# Altium PCB PCB部分.PcbDoc
Units mm, origin at the board's own origin, x right, y up, seen from the top; angles counter-clockwise.
Board outline 80 x 100 mm, 2 copper layers (Top Layer, Bottom Layer); 43 components, 31 nets, 229 pads, 5 vias.
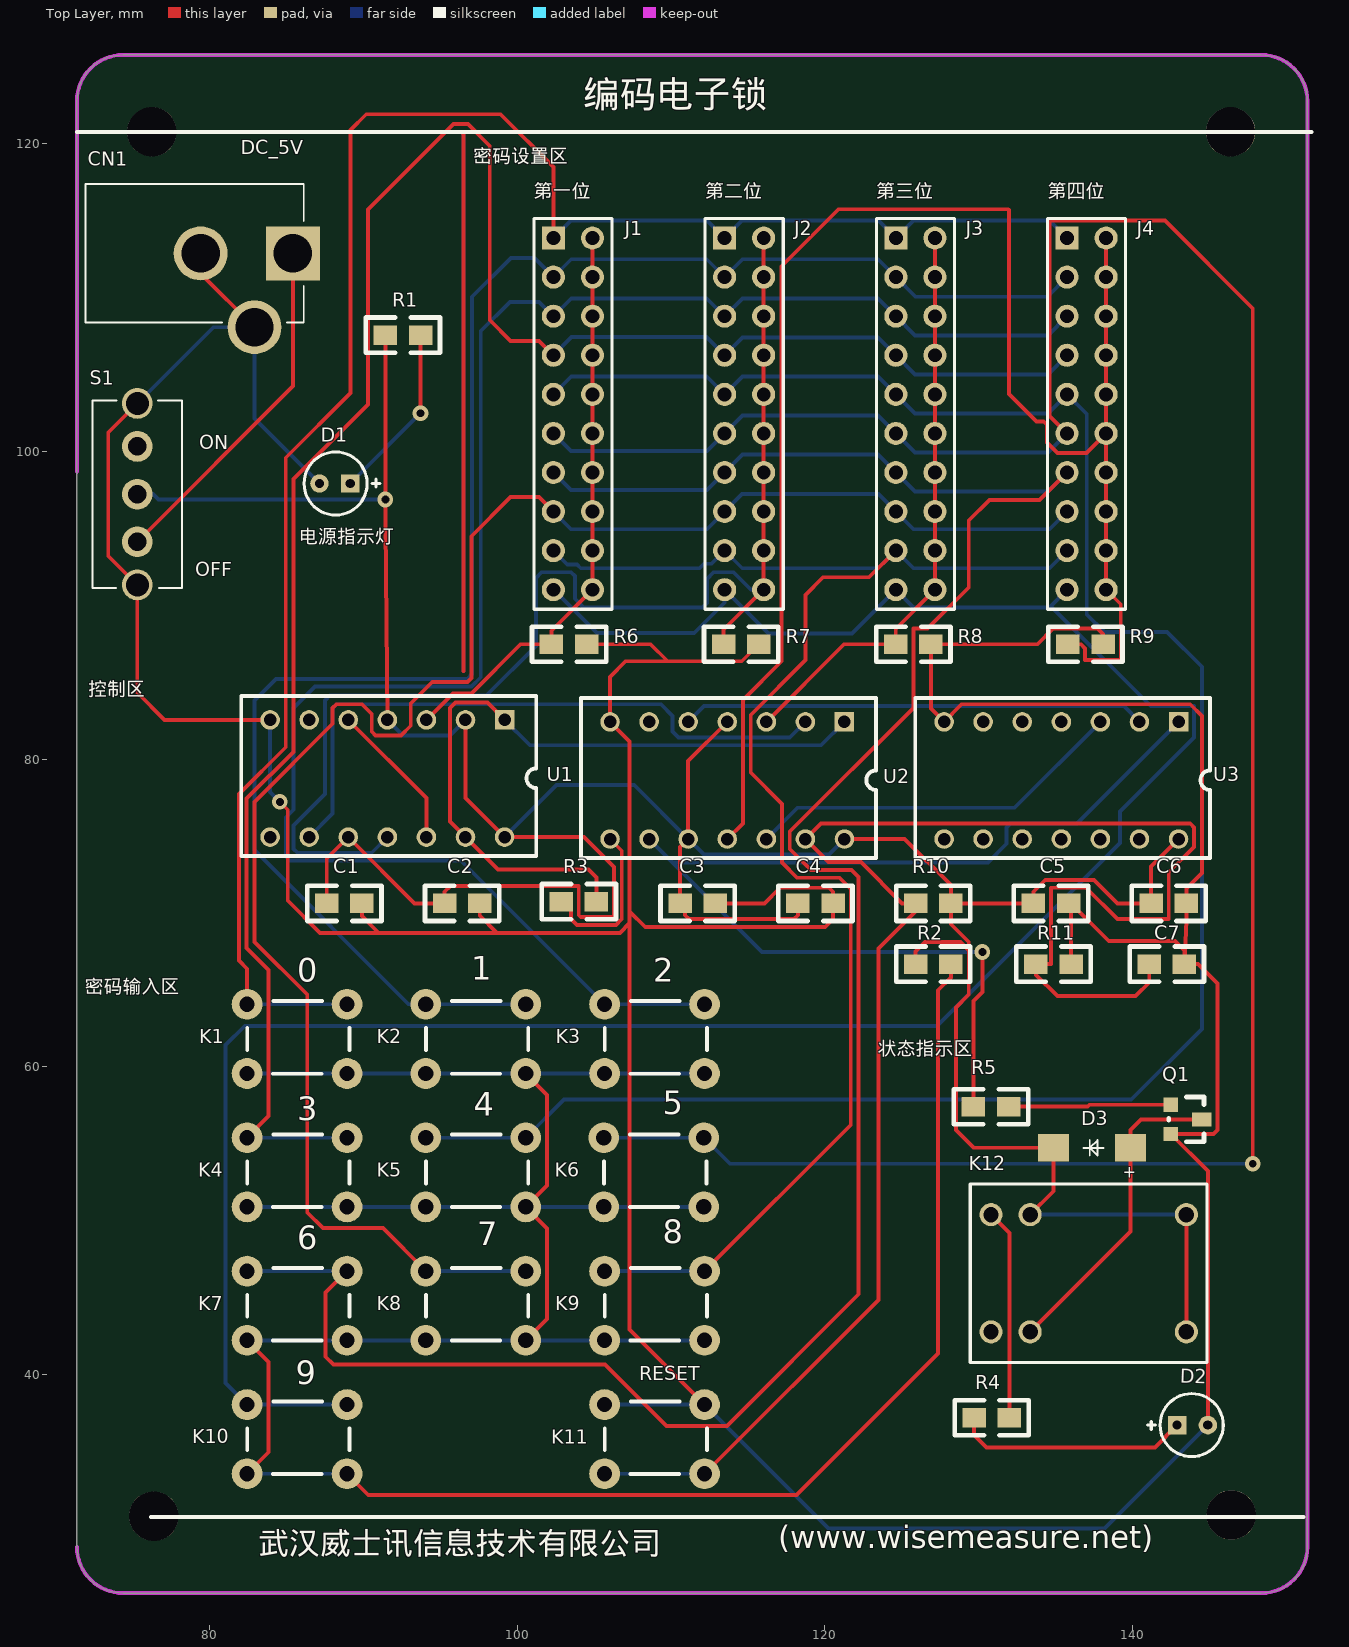
[diagram p0: Top Layer view]
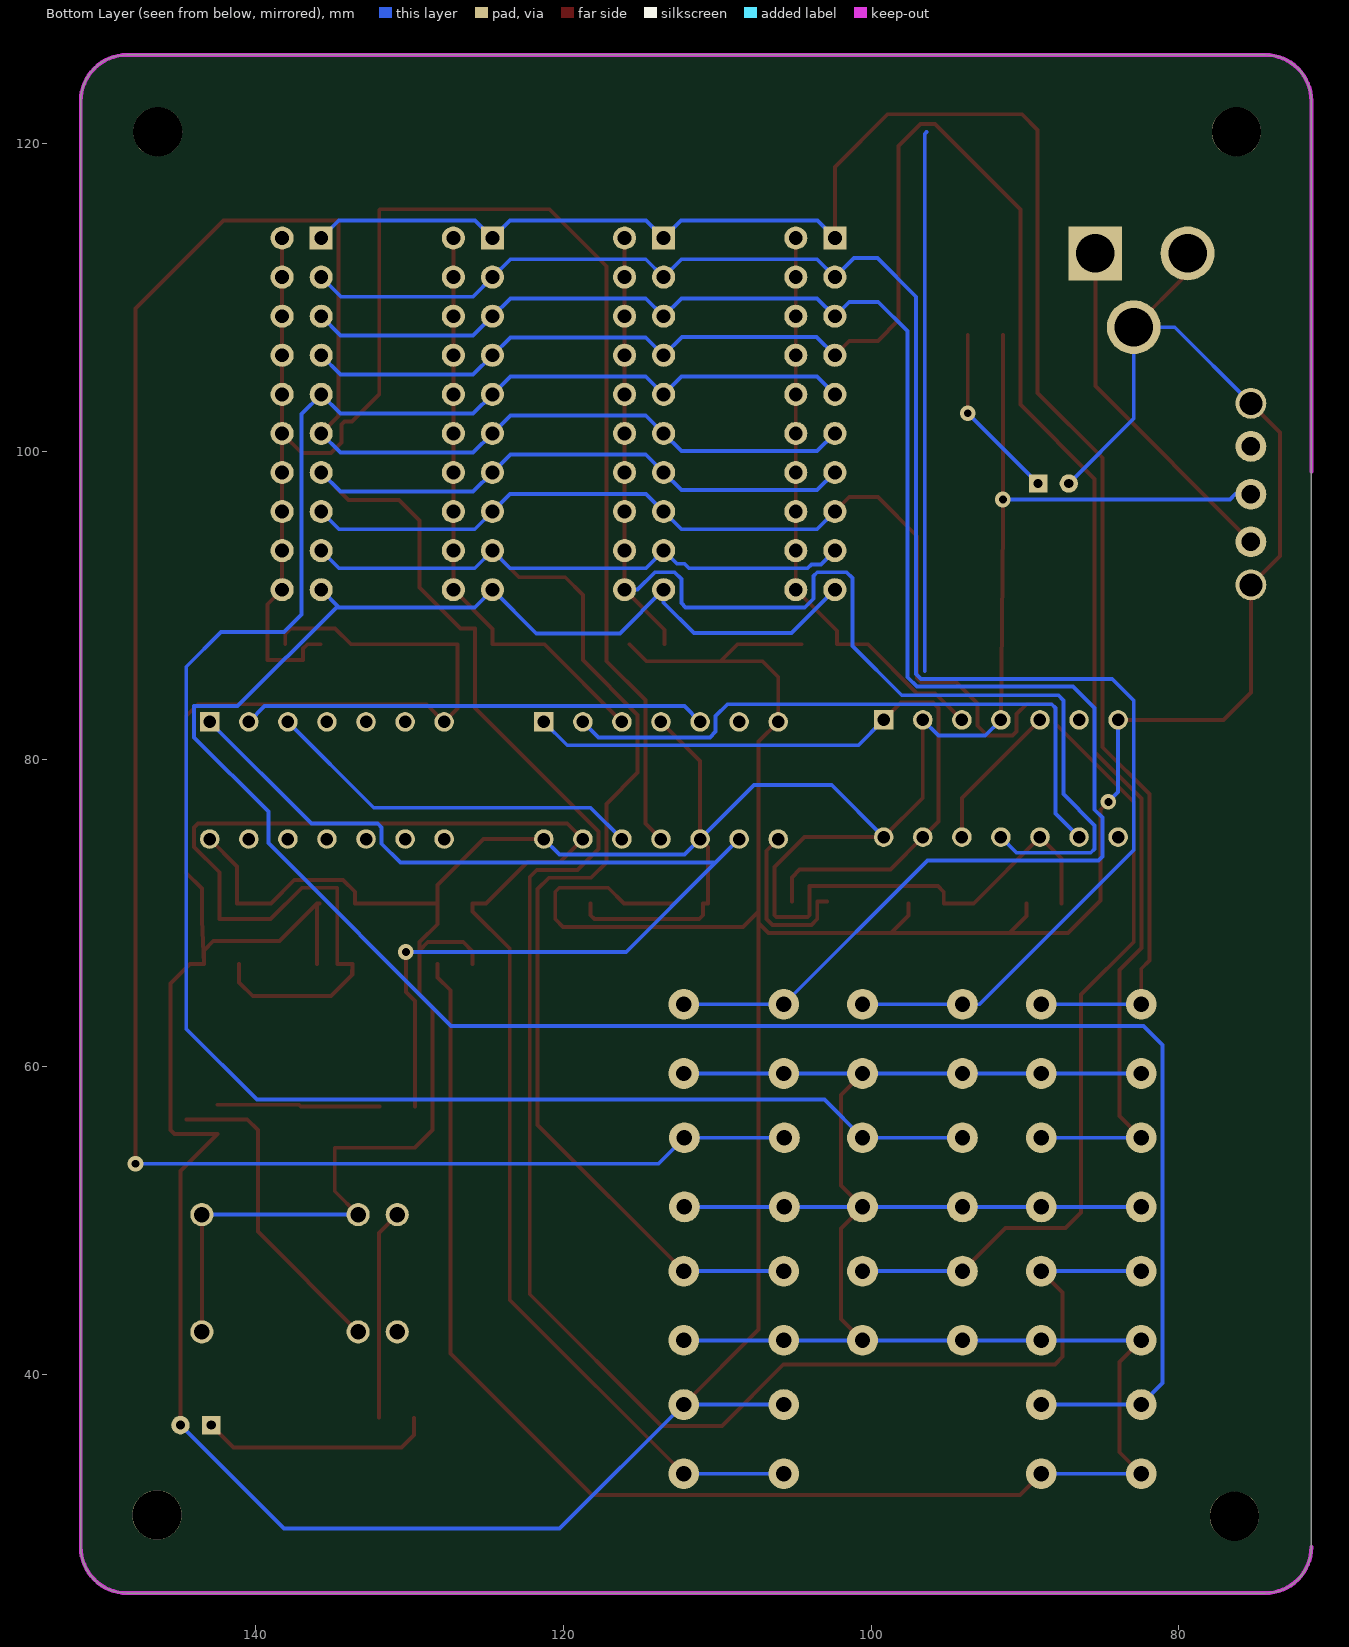
[diagram p1: Bottom Layer view, seen from below]

## Layer stack, top to bottom
Top Solder: solder mask 0.0102, Solder Resist, Dk 3.5
Top Layer: signal copper 0.0356
Dielectric1: dielectric 0.32, FR-4, Dk 4.8
Bottom Layer: signal copper 0.0356
Bottom Solder: solder mask 0.0102, Solder Resist, Dk 3.5

## Board outline
71.384,28.781 71.384,122.781 cw(c74.384,122.781) 74.384,125.781 148.384,125.781 cw(c148.384,122.781) 151.384,122.781 151.384,28.781 cw(c148.384,28.781) 148.384,25.781 74.384,25.781 cw(c74.384,28.781)

## Design rules (kind name [scope] priority, off if disabled: settings)
Clearance [All] p1: gap=0.254 ignorepadtopadclearanceinfootprint=FALSE
FabricationTestPointUsage TestPointUsage [All] p1: valid=0 allowmultiple=FALSE
FabricationTestpoint Testpoint [All] p1: side=3 testpointundercomponent=TRUE minsize=1.016 maxsize=2.54 preferedsize=1.524 minholesize=0 maxholesize=1.016 preferedholesize=0.813 testpointgrid=0.025 allowsidetop=TRUE allowsidebottom=TRUE usegrid=TRUE gridtolerance=0
PolygonConnect [All] p1: connectstyle=Relief reliefconductorwidth=0.254 reliefentries=4 polygonreliefangle="90 Angle" airgapwidth=0.254
RoutingVias [All] p1: holewidth=0.508 width=1.016 viastyle="Through Hole" minholewidth=0.508 minwidth=1.016 maxholewidth=0.508 maxwidth=1.016
SilkToSolderMaskClearance SilkscreenOverComponentPads [IsPad] p1: minsilkscreentomaskgap=0.254 clearancetoexposedcopper=TRUE
SolderMaskExpansion [All] p1: expansion=0.102 istentingtop=FALSE
Width [All] p1: maxlimit=0.254 minlimit=0.254 preferedwidth=0.254
27 further rules are at their usual default settings.

## Components (designator, comment, footprint, x,y, rotation, side; value= is the part's Value field where it differs from the comment)
C1 "10uF" 0805 87.63,70.622 r0 top
C2 "10uF" 0805 95.286,70.622 r0 top
C3 "10uF" 0805 110.599,70.622 r0 top
C4 "10uF" 0805 118.255,70.622 r0 top
C5 "10uF" 0805 133.568,70.622 r0 top
C6 "10uF" 0805 141.224,70.622 r0 top
C7 "10uF" 0805 141.097,66.675 r0 top
CN1 "DC JACK" "DC JACK" 71.776,108.216 r0 top
D1 "LED" 3MM插件LED 91.221,98.675 r180 top
D2 "LED" 3MM插件LED 140.84,35.945 r0 top
D3 "1N4148" 1N5819 139.874,54.737 r180 top
J1 "HEADER 10X2" HDR2X10 102.362,113.873 r270 top
J2 "HEADER 10X2" HDR2X10 113.493,113.873 r270 top
J3 "HEADER 10X2" HDR2X10 124.624,113.873 r270 top
J4 "HEADER 10X2" HDR2X10 135.755,113.873 r270 top
K1 "SW6X6轻触开关" SW6X6轻触开关 81.407,58.42 r0 top
K2 "SW6X6轻触开关" SW6X6轻触开关 93.027,58.42 r0 top
K3 "SW6X6轻触开关" SW6X6轻触开关 104.648,58.42 r0 top
K4 "SW6X6轻触开关" SW6X6轻触开关 81.407,49.746 r0 top
K5 "SW6X6轻触开关" SW6X6轻触开关 93.027,49.746 r0 top
K6 "SW6X6轻触开关" SW6X6轻触开关 104.603,49.746 r0 top
K7 "SW6X6轻触开关" SW6X6轻触开关 81.407,41.072 r0 top
K8 "SW6X6轻触开关" SW6X6轻触开关 93.027,41.072 r0 top
K9 "SW6X6轻触开关" SW6X6轻触开关 104.648,41.072 r0 top
K10 "SW6X6轻触开关" SW6X6轻触开关 81.407,32.398 r0 top
K11 "SW6X6轻触开关" SW6X6轻触开关 104.648,32.398 r0 top
K12 "SRS-05VDC-SL" 继电器 129.413,40.767 r0 top
Q1 "SS8050" S8050 142.494,57.531 r270 top
R1 "1K" 0805贴片电阻 90.009,106.238 r0 top
R2 "1K" 0805贴片电阻 124.48,65.344 r0 top
R3 "1K" 0805贴片电阻 101.439,69.408 r0 top
R4 "1K" 0805贴片电阻 128.286,35.848 r0 top
R5 "1K" 0805贴片电阻 128.236,56.073 r0 top
R6 "10K" 0805贴片电阻 100.804,86.136 r0 top
R7 "10K" 0805贴片电阻 111.995,86.136 r0 top
R8 "10K" 0805贴片电阻 123.186,86.136 r0 top
R9 "10K" 0805贴片电阻 134.377,86.136 r0 top
R10 "10K" 0805贴片电阻 124.48,69.291 r0 top
R11 "10K" 0805贴片电阻 132.3,65.344 r0 top
S1 "CON5" 拨动开关5脚 93.984,80.021 r90 top
U1 "74LS74D" 74LS74D 101.503,84.618 r180 top
U2 "74LS74D" 74LS74D 123.601,84.491 r180 top
U3 "SN74LS32" 74LS32 125.718,84.116 r270 top

## Footprints (in the part's own frame and the unit in brackets; to place one, negate y for a bottom-side part, rotate by r counter-clockwise, add the part's x,y. Pads: shape width x height; smd on the part's side, far side on the other; paste and mask are expansions set on the pad)
1N5819 [mm]
  rect 2x1.8 smd: 1(0,0) 2(5,0)
  silkscreen extent 1.76,-0.49 3.05,0.52
3MM插件LED [mm]
  rect 1.2x1.2 hole 0.6: 1(2.067,0.758)
  round 1.2 hole 0.6: 2(4.067,0.758)
  silkscreen extent 0.15,-1.29 5.07,2.81
74LS32 [mil]
  rect 50x50 hole 32: 1(66.65,680.47)
  round 50 hole 32: 2(66.65,580.47) 3(66.65,480.47) 4(66.65,380.47) 5(66.65,280.47) 6(66.65,180.47) 7(66.65,80.47) 8(366.65,80.47) 9(366.65,180.47) 10(366.65,280.47) 11(366.65,380.47) 12(366.65,480.47) 13(366.65,580.47) 14(366.65,680.47)
  silkscreen extent 6,6 415,761
74LS74D [mil]
  rect 50x50 hole 32: 1(91.18,81.42)
  round 50 hole 32: 2(191.18,81.42) 3(291.18,81.42) 4(391.18,81.42) 5(491.18,81.42) 6(591.18,81.42) 7(691.18,81.42) 8(691.18,381.42) 9(591.18,381.42) 10(491.18,381.42) 11(391.18,381.42) 12(291.18,381.42) 13(191.18,381.42) 14(91.18,381.42)
  silkscreen extent 10,20 765,430
0805 [mil]
  rect 60x50 smd: 1(0,0) 2(90,0)
  silkscreen extent -50,-45 140,45
0805贴片电阻 [mil]
  rect 60x50 smd: 1(56.34,52.4) 2(146.34,52.4)
  silkscreen extent 6,7 196,97
"DC JACK" [mm]
  rect 3.5x3.5 hole 2.5: 1(13.655,4.661)
  round 3.5 hole 2.5: 2(7.655,4.661) 3(11.155,-0.139)
  silkscreen extent 0.16,0.16 14.36,9.16
HDR2X10 [mm] "Connector; Header; 10x2 Position"
  rect 1.5x1.5 hole 0.9: 1(0,0)
  round 1.5 hole 0.9: 2(0,2.54) 3(2.54,0) 4(2.54,2.54) 5(5.08,0) 6(5.08,2.54) 7(7.62,0) 8(7.62,2.54) 9(10.16,0) 10(10.16,2.54) 11(12.7,0) 12(12.7,2.54) 13(15.24,0) 14(15.24,2.54) 15(17.78,0) 16(17.78,2.54) 17(20.32,0) 18(20.32,2.54) 19(22.86,0) 20(22.86,2.54)
  silkscreen extent -1.27,-1.27 24.13,3.81
S8050 [mil]
  rect 36x36 smd: 1(0,0) 2(75,0)
  rect 36x50 smd: 3(38,80)
  silkscreen extent -20,-5 95,85
SW6X6轻触开关 [mm]
  round 2 hole 1: 1(1.038,5.641) 2(7.538,5.641) 3(1.038,1.141) 4(7.538,1.141)
  silkscreen extent 1.05,1.13 7.7,5.85
拨动开关5脚 [mm]
  round 2 hole 1.5: 1(11.303,18.673) 5(23.103,18.673)
  round 2 hole 1.2: 2(14.103,18.673) 3(17.203,18.673) 4(20.303,18.673)
  silkscreen extent 11.1,15.77 23.3,21.57
继电器 [mm]
  round 1.5 hole 1: 1(14.1,1.999) 1(14.1,9.619) 2(1.4,1.999) 3(1.4,9.619) 4(3.94,9.619) 5(3.94,1.999)
  silkscreen extent 0.05,0.01 15.45,11.61

## Part data
C1 C2 C3 C4 C5 C6 C7: library part Cap, "10uF，0805，25V,+/-10%", LatestRevisionDate=17-Jul-2002, LatestRevisionNote="Re-released for DXP Platform.", PackageReference=RAD-0.3, Published=8-Jun-2000, Publisher="Altium Limited"
CN1: "DC JACK电源插座,5.5mm孔径,3脚接插件"
D1 D2: library part 3MM插件LED, "3MM插件LED，绿发绿光，3mm"
D3: library part DIODE_1
K1 K2 K3 K4 K5 K6 K7 K8 K9 K10 K11: "6*6mm*4.5mm轻触开关,4脚插件,180°"
K12: library part 继电器
Q1: library part S8050, "SOT23,3-pin,NPN型三极管，s8050"
R1 R2 R3 R4 R5 R6 R7 R8 R9 R10 R11: library part 0805贴片电阻, "1KΩ,0805,±5%"
S1: library part 拨动开关5脚, "SWITCH"

## Free pads (board coordinates)
  round 3.2 hole 3.2 unplated: 5(76.257,120.781) 5(76.384,30.781) 5(146.384,120.781) 5(146.431,30.861)

## Via types
v1: diameter 1.016, hole 0.508, Top Layer to Bottom Layer, 5 vias

## Nets (pads, with @x,y where several pads share a name; then routed paths per layer and width w, separated by ;. In a path a pad name is that pad's centre, name@x,y a point inside that pad or via, vN(x,y) a via of type N, cw(c..) or ccw(c..) an arc to the next point about the centre after c; other vN are vias at no path point)
1B: U2.5 U3.2 | length 30.2
  Bottom Layer w0.254: U2.5 112.141,83.439 139.446,83.439 U3.2
1CK1: J1.2 J1.4 J1.6 J1.8 J1.10 J1.12 J1.14 J1.16 J1.18 J1.20 R6.1 U1.3 | length 37.7
  Top Layer w0.254: U1.3 95.834,84.277 97.028,84.277 100.218,87.467 R6.1 102.235,88.346 J1.20 J1.18 J1.16 J1.14 J1.12 J1.10 J1.8 J1.6 J1.4 J1.2
1CK2: J3.2 J3.4 J3.6 J3.8 J3.10 J3.12 J3.14 J3.16 J3.18 J3.20 R8.1 U2.3 | length 38
  Top Layer w0.254: U2.3 121.249,87.467 R8.1 124.617,88.466 J3.20 J3.18 J3.16 J3.14 J3.12 J3.10 J3.8 J3.6 J3.4 J3.2
2CK1: J2.2 J2.4 J2.6 J2.8 J2.10 J2.12 J2.14 J2.16 J2.18 J2.20 R7.1 U1.11 | length 83.3
  Top Layer w0.254: R7.1 113.426,88.406 J2.20 J2.18 J2.16 J2.14 J2.12 J2.10 J2.8 J2.6 J2.4 J2.2
  Bottom Layer w0.254: U1.11 90.551,73.914 85.725,73.914 85.471,74.168 85.471,75.692 87.503,77.724 87.503,83.82 87.833,84.15 98.016,84.15 101.219,87.353 101.219,91.763 101.6,92.144 103.505,92.144 103.759,91.89 103.759,90.424 104.318,89.865 112.065,89.865 112.344,90.145 112.344,91.713 112.776,92.144 114.058,92.144 115.189,91.013 J2.20
2CK2: J4.2 J4.4 J4.6 J4.8 J4.10 J4.12 J4.14 J4.16 J4.18 J4.20 R9.1 U2.11 | length 108.3
  Top Layer w0.254: U2.11 114.681,75.819 114.681,83.845 117.196,86.36 117.196,112.039 120.904,115.748 131.928,115.748 131.978,115.697 131.978,103.734 133.756,101.956 134.239,101.956 134.442,101.752 134.442,100.584 135.128,99.898 137.019,99.898 J4.12 ; R9.1 136.652,87.467 136.931,87.187 136.931,86.436 139.243,86.436 139.243,90.065 J4.20 J4.18 J4.16 J4.14 J4.12 ; J4.2 J4.4 J4.6 J4.8 J4.10 J4.12
2CLR: C7.1 K11.3 K11.4 R10.1 R11.1 U2.13 | length 116
  Top Layer w0.254: K11.4 123.495,44.848 123.495,67.687 125.911,70.104 R10.1 125.033,70.622 122.351,73.304 120.244,73.304 U2.13 119.761,75.819 143.764,75.819 144.018,75.565 144.018,74.295 142.367,72.644 142.367,69.596 139.038,69.596 136.997,71.638 134.711,71.638 134.711,66.675 R11.1 ; C7.1 141.097,65.481 140.208,64.592 135.128,64.592 133.744,65.977 ; R11.1 133.731,65.989 133.744,65.977 ; R11.1 133.744,65.977
  Bottom Layer w0.254: K11.3 K11.4
2D: U1.5 U1.12 | length 9.7
  Top Layer w0.254: U1.5 94.107,77.47 U1.12
3D: U1.9 U2.2 | length 41.8
  Bottom Layer w0.254: U1.9 88.011,76.454 88.011,83.312 88.265,83.566 109.347,83.566 110.109,82.804 110.109,81.788 110.49,81.407 117.729,81.407 U2.2
4D: U2.12 U3.3 | length 24.9
  Bottom Layer w0.254: U2.12 118.24,76.838 132.337,76.838 U3.3
+5v: CN1.1 S1.2 | length 22.9
  Top Layer w0.254: S1.2 85.431,104.244 CN1.1
CLR: R3.2 U1.1 U1.13 U2.1 | length 47.5
  Top Layer w0.254: U1.1 98.069,83.668 95.987,83.668 95.631,83.312 95.631,75.946 U1.13 98.755,72.822 104.648,72.822 105.156,72.314 R3.2
  Bottom Layer w0.254: U1.1 100.838,80.899 119.761,80.899 U2.1
GND: C1.2 C2.2 C3.2 C4.2 C5.2 C6.2 C7.2 CN1.2 CN1.3 D1.2 D2.2 K11.1 K11.2 Q1.2 R6.2 R7.2 R8.2 R9.2 R11.2 S1.1 S1.5 U1.7 U2.7 U3.7 | length 334
  Top Layer w0.254: S1.5 73.422,101.235 73.422,93.213 S1.1 75.311,84.328 77.089,82.55 U1.7 ; CN1.2 79.431,111.577 CN1.3 ; v1(84.582,77.216) 85.09,76.708 85.09,70.815 87.198,68.707 91.008,68.707 ; C1.2 89.916,69.799 91.008,68.707 ; C2.2 97.572,69.835 98.701,68.707 ; R6.2 108.687,87.467 109.793,86.36 ; K11.2 107.315,42.91 107.315,69.342 ; C3.2 116.078,70.622 117.094,71.638 120.277,71.638 120.541,71.374 C4.2 120.541,69.596 120.033,69.088 108.331,69.088 107.315,70.104 ; R7.2 114.605,86.36 109.793,86.36 ; C5.2 C5.2@136.017,70.622 ; R11.2 C5.2@136.017,70.622 ; R9.2 138.094,88.138 137.738,88.494 134.849,88.494 133.822,87.467 R8.2 126.903,83.282 U3.7 128.905,83.566 143.764,83.566 144.526,82.804 144.526,72.593 143.51,71.577 C6.2 143.51,69.52 C7.2 ; D2.2 144.907,53.213 Q1.2 145.288,55.626 145.542,55.88 145.542,65.405 144.272,66.675 C7.2 ; 91.008,68.707 98.701,68.707 ; 98.701,68.707 106.68,68.707 107.315,69.342 ; 107.315,69.342 107.315,70.104 ; 107.315,70.104 107.315,81.153 U2.7 106.045,85.344 107.061,86.36 109.793,86.36 ; C5.2@136.017,70.622 138.465,68.174 142.773,68.174 143.383,67.564 C7.2
  Bottom Layer w0.254: S1.5 80.264,108.077 CN1.3 82.931,102.14 D1.2 ; U1.7 83.947,77.851 v1(84.582,77.216) ; K11.1 K11.2 120.253,29.972 138.176,29.972 D2.2
K0: J1.1 J2.1 J3.1 J4.1 K1.1 K1.2 | length 122.4
  Top Layer w0.254: K1.1 82.445,66.374 81.915,66.904 81.915,77.724 84.963,80.772 84.963,99.593 89.179,103.81 89.179,120.904 90.195,121.92 98.933,121.92 102.362,118.491 J1.1
  Bottom Layer w0.254: K1.1 K1.2 ; J1.1 103.5,115.011 112.355,115.011 J2.1 114.631,115.011 123.486,115.011 J3.1 125.762,115.011 134.617,115.011 J4.1
K1: J1.3 J2.3 J3.3 J4.3 K2.1 K2.2 | length 114.1
  Bottom Layer w0.254: K2.2 K2.1 92.955,64.061 82.931,74.085 82.931,83.82 84.328,85.217 96.774,85.217 97.079,85.522 97.079,110.058 99.593,112.573 101.123,112.573 J1.3 103.525,112.497 112.33,112.497 J2.3 114.656,112.497 123.461,112.497 J3.3 125.899,110.058 134.479,110.058 J4.3
K2: J1.5 J2.5 J3.5 J4.5 K3.1 K3.2 | length 118.8
  Bottom Layer w0.254: K3.2 K3.1 96.341,73.406 85.217,73.406 84.963,73.66 84.963,76.2 85.471,76.708 85.471,83.312 86.868,84.709 97.028,84.709 97.638,85.319 97.638,107.823 99.543,109.728 101.427,109.728 J1.5 103.525,109.957 112.33,109.957 J2.5 114.656,109.957 123.461,109.957 J3.5 125.874,107.544 134.505,107.544 J4.5
K3: J1.7 J2.7 J3.7 J4.7 K4.1 K4.2 | length 134.9
  Top Layer w0.254: K4.1 83.845,56.787 83.845,66.294 82.423,67.716 82.423,77.426 85.471,80.474 85.471,98.222 90.297,103.048 90.297,115.722 95.86,121.285 96.799,121.285 98.222,119.863 98.222,108.534 99.568,107.188 101.427,107.188 J1.7
  Bottom Layer w0.254: K4.1 K4.2 ; J1.7 103.551,107.442 112.304,107.442 J2.7 114.656,107.417 123.461,107.417 J3.7 125.874,105.004 134.505,105.004 J4.7
K4: J1.9 J2.9 J3.9 J4.9 K5.1 K5.2 | length 137
  Bottom Layer w0.254: K5.1 K5.2 103.04,57.861 139.929,57.861 144.526,62.459 144.526,86.004 142.265,88.265 138.176,88.265 137.033,89.408 137.033,102.435 J4.9 134.505,102.464 125.874,102.464 J3.9 123.461,104.877 114.656,104.877 J2.9 112.33,104.877 103.525,104.877 J1.9
K5: J1.11 J2.11 J3.11 J4.11 K6.1 K6.2 | length 164.7
  Top Layer w0.254: J4.11 134.62,102.308 134.62,115.011 142.113,115.011 147.828,109.296 v1(147.828,53.696)
  Bottom Layer w0.254: J1.11 103.51,100.025 112.345,100.025 J2.11 114.656,102.337 123.461,102.337 J3.11 125.874,99.924 134.505,99.924 J4.11 ; K6.1 K6.2 113.832,53.696 v1(147.828,53.696)
K6: J1.13 J2.13 J3.13 J4.13 K7.1 K7.2 | length 155.8
  Top Layer w0.254: K7.2 87.554,45.322 87.554,41.148 88.062,40.64 105.715,40.64 109.703,36.652 113.64,36.652 122.199,45.212 122.199,72.339 121.742,72.796 119.101,72.796 117.729,74.168 117.729,75.286 125.76,83.316 125.76,88.494 126.695,88.494 129.362,91.161 129.362,95.504 130.708,96.85 133.971,96.85 J4.13
  Bottom Layer w0.254: K7.1 K7.2 ; J1.13 103.51,97.485 112.345,97.485 J2.13 114.656,99.797 123.461,99.797 J3.13 125.874,97.384 134.505,97.384 J4.13
K7: J1.15 J2.15 J3.15 J4.15 K8.1 K8.2 | length 117.4
  Top Layer w0.254: K8.1 91.274,49.505 87.376,49.505 86.36,50.521 86.36,64.694 82.931,68.123 82.931,77.216 88.011,82.296 88.011,83.312 88.265,83.566 89.916,83.566 90.551,82.931 90.551,81.788 90.805,81.534 92.456,81.534 93.091,82.169 93.091,83.617 94.488,85.014 96.774,85.014 97.028,85.268 97.028,94.488 99.568,97.028 101.427,97.028 J1.15
  Bottom Layer w0.254: K8.1 K8.2 ; J1.15 103.51,94.945 112.345,94.945 J2.15 114.631,97.231 123.486,97.231 J3.15 125.772,94.945 134.606,94.945 J4.15
K8: J1.17 J2.17 J3.17 J4.17 K9.1 K9.2 | length 103.5
  Top Layer w0.254: K9.2 121.691,56.218 121.691,71.552 120.955,72.288 118.212,72.288 117.221,73.279 117.221,77.089 115.189,79.121 115.189,82.88 118.745,86.436 118.745,90.678 119.888,91.821 122.891,91.821 J3.17
  Bottom Layer w0.254: J1.17 103.263,92.652 103.893,92.652 104.14,92.405 111.854,92.405 112.147,92.698 112.638,92.698 J2.17 114.641,92.405 123.476,92.405 J3.17 125.772,92.405 134.606,92.405 J4.17 ; K9.1 K9.2
K9: J1.19 J2.19 J3.19 J4.19 K10.1 K10.2 | length 156.5
  Bottom Layer w0.254: K10.2 K10.1 81.051,39.433 81.051,61.417 82.296,62.662 127.305,62.662 139.192,74.549 139.192,76.581 144.018,81.407 144.018,83.439 141.199,83.439 134.772,89.865 134.606,89.865 ; J1.19 105.187,88.189 111.518,88.189 113.493,90.164 J2.19 116.343,88.163 121.774,88.163 J3.19 125.772,89.865 134.606,89.865 ; J4.19 134.606,89.865
NetD1_1: D1.1 R1.2 | length 11.5
  Top Layer w0.254: v1(93.726,102.489) R1.2
  Bottom Layer w0.254: D1.1 v1(93.726,102.489)
NetD2_1: D2.1 R4.1 | length 15.2
  Top Layer w0.254: R4.1 129.717,36.068 130.529,35.255 141.459,35.255 D2.1
NetD3_1: D3.1 K12.5 Q1.3 | length 20.8
  Top Layer w0.254: K12.5 139.874,49.287 D3.1 139.874,55.88 140.56,56.566 Q1.3
NetK1_3: K1.3 K1.4 K2.3 K2.4 K3.3 K3.4 K4.3 K4.4 K5.3 K5.4 K6.3 K6.4 K7.3 K7.4 K8.3 K8.4 K9.3 K9.4 K10.3 K10.4 R2.2 | length 193.6
  Top Layer w0.254: K10.3 83.845,34.939 83.845,40.813 K7.3 ; K10.4 90.328,32.156 118.161,32.156 127.356,41.351 127.356,64.973 128.197,65.815 R2.2 ; K8.4 101.956,43.603 101.956,49.497 K5.4 101.956,52.277 101.956,58.171 K2.4
  Bottom Layer w0.254: K10.3 K10.4 ; K7.3 K7.4 K8.3 K8.4 K9.3 K9.4 ; K4.3 K4.4 K5.3 K5.4 K6.3 K6.4 ; K1.3 K1.4 K2.3 K2.4 K3.3 K3.4
NetK12_3: K12.3 R4.2 | length 13.7
  Top Layer w0.254: K12.3 132.003,49.196 R4.2
NetQ1_1: Q1.1 R5.2 | length 10.6
  Top Layer w0.254: R5.2 137.084,57.404 137.211,57.531 Q1.1
NetR3_1: R3.1 U2.8 | length 10.9
  Top Layer w0.254: R3.1 103.505,70.739 103.505,69.596 103.886,69.215 106.426,69.215 106.807,69.596 106.807,74.041 U2.8
VCC: C1.1 C2.1 C3.1 C4.1 C5.1 C6.1 D3.2 K12.1 K12.4 R1.1 R2.1 R10.2 S1.3 U1.2 U1.4 U1.10 U1.14 U2.4 U2.10 U2.14 U3.14 | length 220.9
  Top Layer w0.254: C1.1 87.63,73.533 U1.10 93.335,70.622 C2.1 95.286,71.374 95.667,71.755 104.013,71.755 104.013,69.85 104.14,69.723 106.172,69.723 106.299,69.85 106.299,72.974 104.343,74.93 U1.14 96.647,77.47 U1.2 ; R1.1 v1(91.44,96.876) 91.44,95.199 U1.4 ; U2.4 111.125,79.883 U2.10 110.599,74.277 C3.1 110.922,70.622 110.922,69.85 111.176,69.596 118.001,69.596 118.255,69.85 C4.1 ; U2.14 125.197,74.803 128.197,71.802 R10.2 ; R2.1 125.911,67.488 126.521,68.097 128.829,68.097 129.362,67.564 ; K12.4 134.874,51.907 D3.2 129.667,54.737 128.524,55.88 128.524,63.856 129.362,64.694 129.362,67.564 ; U3.14 141.224,73.025 C6.1 139.029,70.622 137.505,72.146 134.339,72.146 133.568,71.374 C5.1 R10.2 ; K12.1@143.513,42.766 K12.1@143.513,50.386 ; R10.2 128.197,69.262 129.362,68.097 129.362,67.564
  Bottom Layer w0.254: S1.3 76.334,97.224 76.683,96.876 v1(91.44,96.876) ; U1.4 92.583,81.534 95.631,81.534 U1.2 ; U1.14 102.565,78.308 107.62,78.308 U2.10 112.141,73.787 120.269,73.787 U2.14 ; K12.4 K12.1@143.513,50.386
Vo: R5.1 U2.9 U3.1 | length 72.3
  Top Layer w0.254: R5.1 129.667,64.262 130.251,64.846 v1(130.251,67.462)
  Bottom Layer w0.254: U2.9 110.109,73.279 ; v1(130.251,67.462) 115.926,67.462 110.109,73.279 ; U3.1 136.398,75.819 132.08,75.819 131.826,75.565 131.826,74.498 130.607,73.279 110.109,73.279
pads on no net: K12.2 S1.4 U1.6 U1.8 U2.6 U3.4 U3.5 U3.6 U3.8 U3.9 U3.10 U3.11 U3.12 U3.13

## Polygon pours and split planes (outlines as drawn)
GND on Bottom Paste "NONET_L01_P-001" (solid): 71.882,122.936 72.263,122.555 150.749,122.555 150.622,122.428 150.622,27.94 149.733,28.829 71.755,28.829

## Keep-outs
Keep-Out Layer:
  lines w0.254: 71.384,28.781 ccw(c74.384,28.781) 74.384,25.781 148.384,25.781 ccw(c148.384,28.781) 151.384,28.781 151.384,98.679 151.384,122.781 ccw(c148.384,122.781) 148.384,125.781 74.384,125.781 ccw(c74.384,122.781) 71.384,122.781 71.384,98.679

## Other copper
Top Layer:
  text "OFF" at 134.846,166.132 h1.52
Multi-Layer:
  lines w0.254: 96.393,120.777 96.52,120.65 96.52,85.725
  text "0" at 99.695,113.427 h1.52
  text "0" at 111.125,113.3 h1.52
  text "0" at 121.92,113.3 h1.52
  text "0" at 133.223,113.3 h1.52
  text "1" at 99.695,110.871 h1.52
  text "1" at 111.125,110.744 h1.52
  text "1" at 121.92,110.744 h1.52
  text "1" at 133.223,110.744 h1.52
  text "2" at 99.694,108.331 h1.52
  text "2" at 111.124,108.204 h1.52
  text "2" at 121.919,108.204 h1.52
  text "2" at 133.222,108.204 h1.52
  text "3" at 99.695,105.808 h1.52
  text "3" at 111.125,105.681 h1.52
  text "3" at 121.92,105.681 h1.52
  text "3" at 133.223,105.681 h1.52
  text "4" at 99.695,103.251 h1.52
  text "4" at 111.125,103.124 h1.52
  text "4" at 121.92,103.124 h1.52
  text "4" at 133.223,103.124 h1.52
  text "5" at 99.695,100.727 h1.52
  text "5" at 111.125,100.6 h1.52
  text "5" at 121.92,100.6 h1.52
  text "5" at 133.223,100.6 h1.52
  text "6" at 99.695,98.187 h1.52
  text "6" at 111.125,98.06 h1.52
  text "6" at 121.92,98.06 h1.52
  text "6" at 133.223,98.06 h1.52
  text "7" at 99.695,95.631 h1.52
  text "7" at 111.125,95.504 h1.52
  text "7" at 121.92,95.504 h1.52
  text "7" at 133.223,95.504 h1.52
  text "8" at 99.695,93.107 h1.52
  text "8" at 111.125,92.98 h1.52
  text "8" at 121.92,92.98 h1.52
  text "8" at 133.223,92.98 h1.52
  text "9" at 99.695,90.567 h1.52
  text "9" at 111.125,90.44 h1.52
  text "9" at 121.92,90.44 h1.52
  text "9" at 133.223,90.44 h1.52

## Silkscreen, mask and mechanical layers (free items; w line width, h text height)
Top Overlay:
  lines w0.254: 71.384,120.777 151.638,120.777 ; 76.2,30.734 151.13,30.734
  text "编码电子锁" at 104.267,121.793 h3
  text "DC_5V" at 82.042,119.015 h1.52
  text "密码设置区" at 97.155,118.491 h1.52
  text "第一位" at 101.092,116.205 h1.52
  text "第二位" at 112.226,116.205 h1.52
  text "第三位" at 123.359,116.205 h1.52
  text "第四位" at 134.493,116.205 h1.52
  text "ON" at 79.347,99.838 h1.52
  text "电源指示灯" at 85.852,93.726 h1.52
  text "OFF" at 79.093,91.583 h1.52
  text "控制区" at 72.136,83.82 h1.52
  text "1" at 97.028,65.659 h1.52
  text "0" at 85.725,65.532 h1.52
  text "2" at 108.839,65.532 h1.52
  text "密码输入区" at 71.901,64.489 h1.52
  text "状态指示区" at 123.444,60.462 h1.52
  text "5" at 109.474,56.896 h1.52
  text "4" at 97.191,56.81 h1.52
  text "3" at 85.725,56.515 h1.52
  text "8" at 109.474,48.514 h1.52
  text "7" at 97.409,48.387 h1.52
  text "6" at 85.725,48.133 h1.52
  text "RESET" at 107.95,39.624 h0.9
  text "9" at 85.598,39.37 h1.52
  text "(www.wisemeasure.net)" at 116.967,28.194 h2.5
  text "武汉威士讯信息技术有限公司" at 83.185,27.813 h2.5

## Dimensions
74.384,125.781 to 74.384,25.781 on Mechanical 1
71.384,98.679 to 151.384,122.781 on Mechanical 1

## Text inside footprints (layer, text, board x,y; h text height)
D3: Top Overlay "+" at 140.255,53.467 h0.76 r180